# KiCad board IotThermalCamera.kicad_pcb (continued)
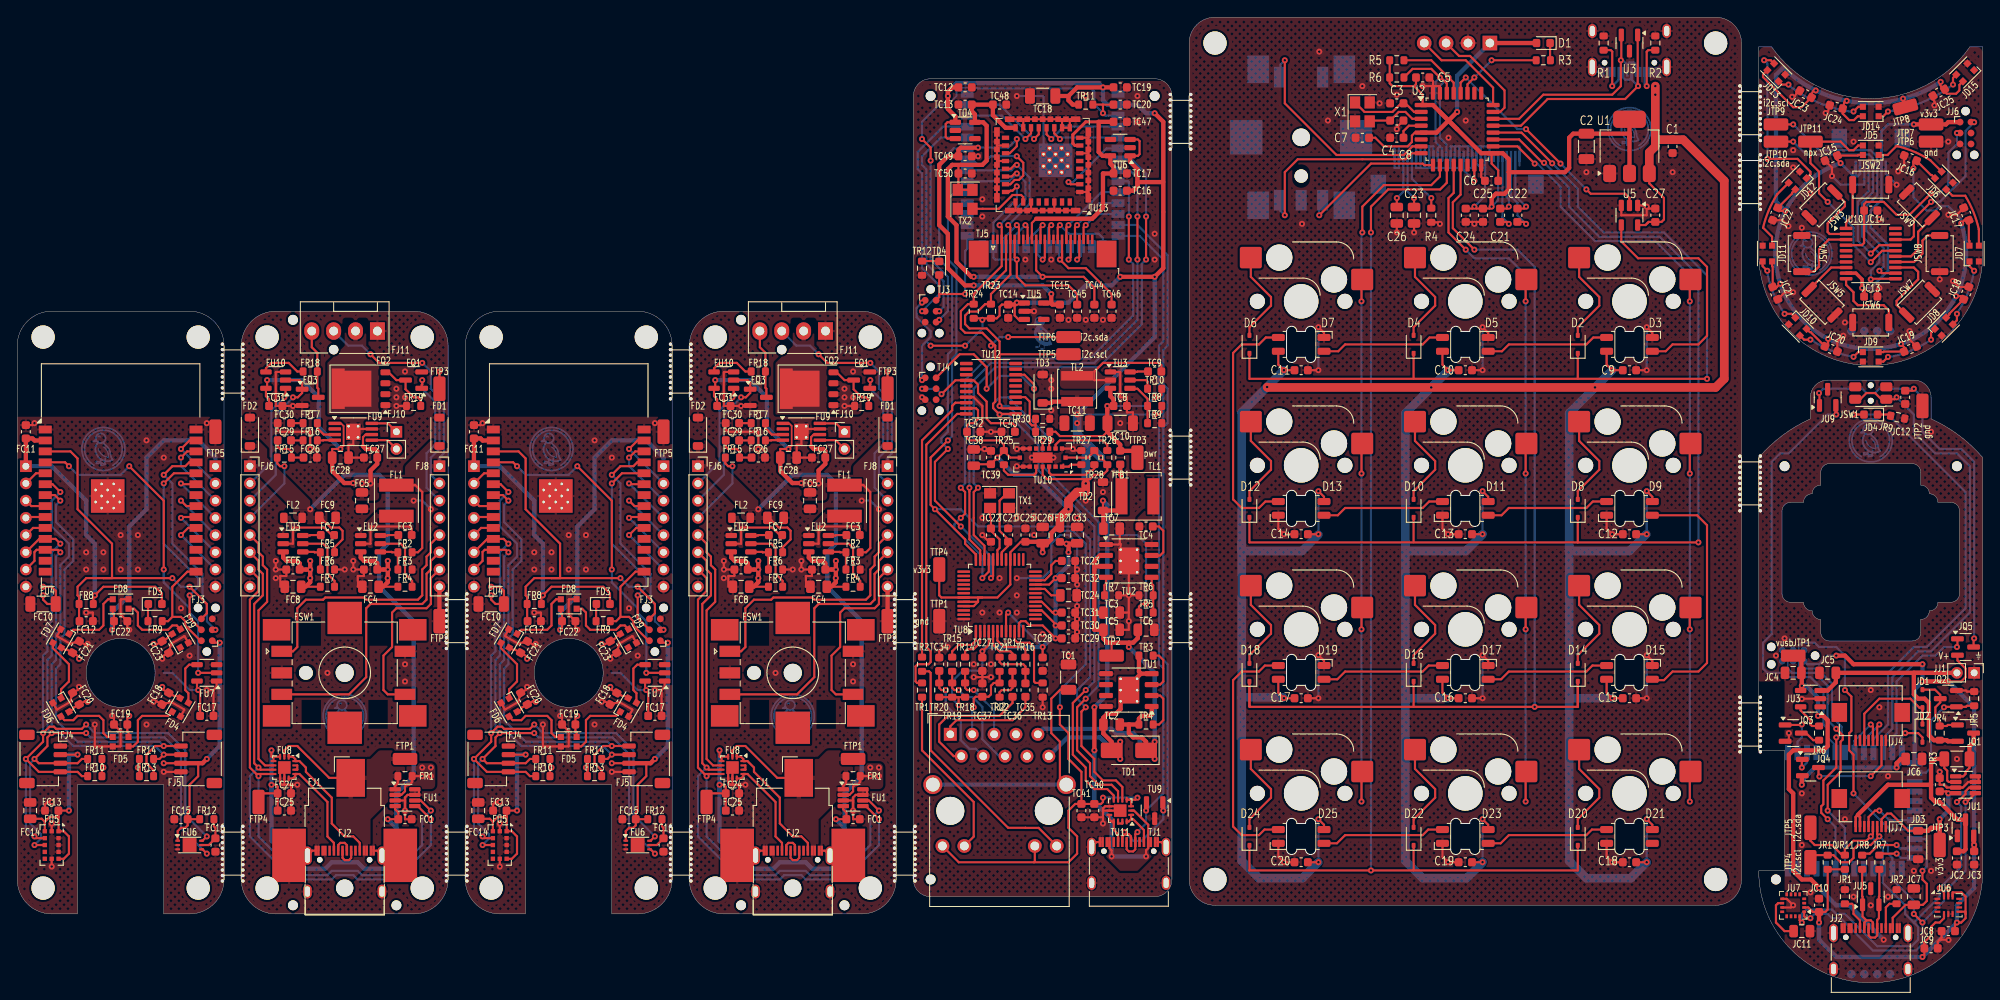
[diagram p0: board, top side]
## Routing (per net, layer and track width the routed paths; a pad name or vN(x,y) marks a point on that pad's centre or on a via; arc(x,y) is an arc through that point) (continued)
  Back w0.25: 59,34.54 v1(59.17,34.37) ; 7,34.54 v1(7.17,34.37)
  vias: v1(8,50) v1(8,48) v1(10,50) v1(10,48) v1(12,52) v1(12,48) v1(14,52) v1(14,48) v1(15,63) v1(15,30) v1(17,61) v1(19,43.5) v1(20,38) v1(22,65) v1(60,50) v1(60,48) v1(62,50) v1(62,48) v1(64,52) v1(64,48) v1(66,52) v1(66,48) v1(67,63) v1(67,30) v1(69,61) v1(71,43.5) v1(72,38) v1(74,65)
Fcontrol_control.i2c2_pull.i2c.scl: length 100.8
  Front w0.25: v1(5,56) 4.36,56.64 FU4.7 ; FR13.2 67.83,24.68 67,25.5 67,26.5 68,27.5 FJ5.4 ; FR13#2.2 15.82,24.68 15,25.5 15,26.5 16,27.5 FJ5#2.4 ; v1(57,56) 56.36,56.64 FU4#2.7
  Back w0.25: v1(69,27.5) 68.5,28 59,28 56.5,30.5 56.5,36.5 57,37 57,40 57.5,40.5 57.5,48 58.5,49 58.5,51.5 56.5,53.5 56.5,55.5 v1(57,56) ; v1(17,27.5) 16.5,28 7,28 4.5,30.5 4.5,36.5 5,37 5,40 5.5,40.5 5.5,48 6.5,49 6.5,51.5 4.5,53.5 4.5,55.5 v1(5,56)
Fcontrol_control.i2c2_pull.i2c.sda: length 98.1
  Front w0.25: FR14.2 16.5,26 v1(17,26.5) FJ5#2.3 ; FU4#2.6 56.09,57.91 v1(57,57) ; FR14#2.2 68.5,26 v1(69,26.5) FJ5.3 ; FU4.6 4.09,57.91 v1(5,57)
  Back w0.25: v1(69,26.5) 68,27.5 58.5,27.5 56,30 56,37 56.5,37.5 56.5,40.5 57,41 57,48.5 58,49.5 58,51 56,53 56,56 v1(57,57) ; v1(5,57) 4,56 4,53 6,51 6,49.5 5,48.5 5,41 4.5,40.5 4.5,37.5 4,37 4,30 6.5,27.5 16,27.5 v1(17,26.5)
Fcontrol_control.i2c.scl: length 160.9
  Front w0.25: v1(54,17) 54.2,16.8 FU5#2.10 ; FR10#2.2 7.5,24 7,24.5 FJ4#2.4 2.5,24.5 v1(1,26) 3,28 v1(3,29) 3.75,29.75 4.25,29.75 4.5,29.5 7.5,29.5 v1(8,30) ; v1(5,51) 4.44,51.56 FU4.11 2.56,51.56 FJ7#2.6 ; FU6.6 73.5,16.5 v1(74,17) ; FU6#2.6 21.5,16.5 v1(22,17) ; v1(57,51) 56.44,51.56 FU4#2.11 54.56,51.56 FJ7.6 ; v1(60,30) 59.5,29.5 56.5,29.5 56.25,29.75 55.75,29.75 v1(55,29) 55,28 v1(53,26) 54.5,24.5 FJ4.4 59,24.5 59.5,24 FR10.2 ; FU5.10 2.2,16.8 v1(2,17)
  Back w0.25: v1(22,17) 19.5,19.5 19.5,27 17.5,29 9,29 v1(8,30) ; v1(57,51) 56,50 56,42 55.5,41.5 55.5,38.5 55,38 v1(55,29) ; v1(2,17) 1,18 v1(1,26) ; v1(60,30) 61,29 69.5,29 71.5,27 71.5,19.5 v1(74,17) ; v1(54,17) 53,18 v1(53,26) ; v1(3,29) 3,38 3.5,38.5 3.5,41.5 4,42 4,50 v1(5,51)
Fcontrol_control.i2c.sda: length 159.6
  Front w0.25: FU6.4 73.5,15.5 v1(74,15) ; FU6#2.4 21.5,15.5 v1(22,15) ; FJ7#2.7 2,49 2,50.04 2.25,50.29 FU4.12 4.71,50.29 v1(5,50) ; FU5.9 v1(2,16) ; v1(8,29) v1(4,29) 3.5,28.5 3.5,27.5 v1(2,26) 2.5,25.5 FJ4#2.3 7,25.5 7.5,26 FR11#2.2 ; v1(60,29) v1(56,29) 55.5,28.5 55.5,27.5 v1(54,26) 54.5,25.5 FJ4.3 59,25.5 59.5,26 FR11.2 ; FJ7.7 54,49 54,50.04 54.25,50.29 FU4#2.12 56.71,50.29 v1(57,50) ; FU5#2.9 v1(54,16)
  Back w0.25: v1(8,29) 8.5,28.5 17.08,28.5 19,26.58 19,18 v1(22,15) ; v1(74,15) 71,18 71,26.58 69.08,28.5 60.5,28.5 v1(60,29) ; v1(2,26) 1.5,25.5 1.5,18.5 2.75,17.25 2.75,16.75 v1(2,16) ; v1(56,29) 55.5,29.5 55.5,37.5 56,38 56,41 56.5,41.5 56.5,49.5 v1(57,50) ; v1(54,16) 54.75,16.75 54.75,17.25 53.5,18.5 53.5,25.5 v1(54,26) ; v1(4,29) 3.5,29.5 3.5,37.5 4,38 4,41 4.5,41.5 4.5,49.5 v1(5,50)
Fcontrol_control.ledr.package.k: length 4
  Front w0.25: FR9.1 15.18,43.96 FD3#2.1 ; FR9#2.1 67.17,43.96 FD3.1
Fcontrol_control.mcu.program_boot_node: length 26.3
  Front w0.25: 18,42.5 19,42.5 19.5,42 19.5,41.5 21.27,39.73 FJ3#2.2 ; 18,42.5 18,46 19.75,47.75 FU4.27 ; 18,42.5 17.5,42 FR9.2 ; FU4#2.27 71.75,47.75 70,46 70,42.5 ; 70,42.5 69.5,42 FR9#2.2 ; 70,42.5 71,42.5 71.5,42 71.5,41.5 73.27,39.73 FJ3.2
Fcontrol_control.mcu.program_en_node: length 86.8
  Front w0.25: v1(70,47) 62,47 ; 62,47 60,47 59,46 59,45 59.17,44.82 FR8#2.2 59.17,42.05 FC12#2.1 ; 62,47 63,47 63,51 59,55 59,60.9 58.18,61.72 FU4#2.3 ; v1(18,47) 10,47 ; 10,47 11,47 11,51 7,55 7,60.9 6.18,61.72 FU4.3 ; 10,47 8,47 7,46 7,45 7.18,44.82 FR8.2 7.18,42.05 FC12.1 ; v1(72,46) 74,44 74,42.91 FJ3.6 ; v1(20,46) 22,44 22,42.91 FJ3#2.6
  Back w0.25: v1(70,47) 71,46 v1(72,46) ; v1(20,46) 19,46 v1(18,47)
Fcontrol_control.mcu.program_uart_node.a_tx: length 47.8
  Front w0.25: v1(69,58) 70.18,59.18 FU4#2.36 ; FJ3#2.4 20,42.37 v1(20,45) ; FJ3.4 72,42.37 v1(72,45) ; FU4.36 18.18,59.18 v1(17,58)
  Back w0.25: v1(72,45) 73,46 73,47 69,51 v1(69,58) ; v1(20,45) 21,46 21,47 17,51 v1(17,58)
Fcontrol_control.mcu.program_uart_node.b_tx: length 50.4
  Front w0.25: FJ3.3 v1(75,41) ; FU4#2.37 71.95,60.45 71.5,60 70,60 v1(69,59) ; v1(17,59) 18,60 19.5,60 19.95,60.45 FU4.37 ; FJ3#2.3 v1(23,41)
  Back w0.25: v1(75,41) 74,42 74,44 73.5,44.5 73.5,47.5 70,51 70,58 v1(69,59) ; v1(23,41) 22,42 22,44 21.5,44.5 21.5,47.5 18,51 18,58 v1(17,59)
Fcontrol_control.npx.led[0].dout: length 16.4
  Front w0.25: FD4#2.1 69.51,31 66.5,31 66,30.5 66,28 65.45,27.45 FD5.3 ; FD4.1 17.51,31 14.5,31 14,30.5 14,28 13.45,27.45 FD5#2.3
Fcontrol_control.npx.led[1].dout: length 16.6
  Front w0.25: FD6.3 5.49,30.5 6.5,30.5 7,31 9.5,31 10,30.5 10,29 10.45,28.55 FD5#2.1 ; FD5.1 62.45,28.55 62,29 62,30.5 61.5,31 59,31 58.5,30.5 57.49,30.5 FD6#2.3
Fcontrol_control.npx.led[2].dout: length 15.1
  Front w0.25: FD6.1 5.09,34.09 6,35 6,37 4.14,38.86 FD7#2.3 ; FD6#2.1 57.09,34.09 58,35 58,37 56.14,38.86 FD7.3
Fcontrol_control.npx.led[3].dout: length 16.4
  Front w0.25: FD7#2.1 6.49,41 9.5,41 10,41.5 10,44 10.55,44.55 FD8#2.3 ; FD7.1 58.49,41 61.5,41 62,41.5 62,44 62.55,44.55 FD8.3
Fcontrol_control.npx.led[4].dout: length 16.6
  Front w0.25: FD8.1 65.55,43.45 66,43 66,41.5 66.5,41 69.5,41 70,41.5 70.51,41.5 FD9#2.3 ; FD8#2.1 13.55,43.45 14,43 14,41.5 14.5,41 17.5,41 18,41.5 18.51,41.5 FD9.3
Fcontrol_control.npx_en: length 5.5
  Front w0.25: FJ7.2 54.18,59.18 FU4#2.5 ; FU4.5 2.18,59.18 FJ7#2.2
Fcontrol_control.npx_shift.input: length 80.4
  Front w0.25: v1(17,48) 17,56 v1(13,60) ; v1(65,60) 69,56 v1(69,48) ; FU7#2.2 v1(21,36) ; v1(58,60) 57.55,60.45 FU4#2.4 ; FU4.4 5.55,60.45 v1(6,60) ; FU7.2 v1(73,36)
  Back w0.25: v1(6,60) 7,59 12,59 v1(13,60) ; v1(17,48) 17,46.5 20,43.5 20,43 21,42 v1(21,36) ; v1(73,36) 73,42 72,43 72,43.5 69,46.5 v1(69,48) ; v1(65,60) 64,59 59,59 v1(58,60)
Fcontrol_control.npx_shift.output: length 11.4
  Front w0.25: FD4#2.3 71.86,33.64 71.5,34 71.5,36.5 71.95,36.95 FU7.4 ; FD4.3 19.86,33.64 19.5,34 19.5,36.5 19.95,36.95 FU7#2.4
Fcontrol_control.pd_int: length 5.2
  Front w0.25: FJ7#2.5 1.83,52.83 FU4.10 ; FJ7.5 53.83,52.83 FU4#2.10
Fcontrol_control.pwm: length 5
  Front w0.25: FJ7#2.3 1.63,55.37 FU4.8 ; FU4#2.8 53.63,55.37 FJ7.3
Fcontrol_control.spk: length 4.6
  Front w0.25: FU4.9 1.1,54.1 FJ7#2.4 ; FU4#2.9 53.1,54.1 FJ7.4
Fcontrol_control.tach: length 15.6
  Front w0.25: v1(19,62) 19.99,62.99 FU4.39 ; FU4#2.39 71.99,62.99 v1(71,62)
  Back w0.25: v1(19,62) FJ9#2.2 ; v1(71,62) FJ9.2
Fcontrol_control.v3v3: length 203.7
  Front w0.25: FU5.5 5.4,14.4 6,15 6,17 5.4,17.6 FU5.1 4.8,19.25 ; v1(6,20) FC13#2.1 4.8,19.97 4.8,19.25 ; FR14.1 FR13#2.1 14.18,24.82 v1(14,25) ; FR10.1 61.83,24.82 v1(62,25) 61.83,25.18 FR11.1 ; FR8.1 8.82,44.82 v1(9,45) 10,46 16,46 16.79,45.21 FD3#2.2 ; v1(55,45) 55,44.5 55.5,44 FC10.1 56.48,45.53 56,46 v1(55,46) ; FJ3.1 74.87,39.5 v1(75.5,39.5) ; 3.2,18.7 3.75,19.25 4.8,19.25 ; 3.2,18.7 2.85,19.05 FC14.1 ; 3.2,18.7 FU5.11 ; v1(23.5,39.5) 22.87,39.5 FJ3#2.1 ; FC14#2.1 54.85,19.05 55.2,18.7 ; FC15.1 19.77,19.78 20,20 20,23 21,24 21,25.5 ; FC15.1 19.77,18.28 19.5,18 19,18 18.62,17.62 FU6#2.1 ; FC15.1 FR12.1 ; 56.8,19.25 56.8,19.97 FC13.1 v1(58,20) ; 56.8,19.25 55.75,19.25 55.2,18.7 ; 56.8,19.25 FU5#2.1 57.4,17.6 58,17 58,15 57.4,14.4 FU5#2.5 ; v1(69,25.5) FJ5.2 ; 55.2,18.7 FU5#2.11 ; FC15#2.1 FR12#2.1 ; FC15#2.1 71.78,19.78 72,20 72,23 73,24 73,25.5 ; FC15#2.1 71.78,18.28 71.5,18 71,18 70.62,17.62 FU6.1 ; FD3.2 68.79,45.21 68,46 62,46 v1(61,45) 60.83,44.82 FR8#2.1 ; FJ4.2 v1(59,26.5) ; FR10#2.1 9.82,24.82 v1(10,25) 9.82,25.18 FR11#2.1 ; v1(17,25.5) FJ5#2.2 ; v1(3,46) 4,46 4.47,45.53 FC10#2.1 3.5,44 3,44.5 v1(3,45) ; FR14#2.1 FR13.1 66.17,24.82 v1(66,25) ; FJ4#2.2 v1(7,26.5)
  Front w0.5: FJ5.2 73.5,25.5 v1(74,26) ; FJ7.1 FC11.1 53.77,63.22 54.01,62.99 FU4#2.2 ; FJ5#2.2 21.5,25.5 v1(22,26) ; FJ7#2.1 FC11#2.1 1.77,63.22 2.01,62.99 FU4.2
  Back w0.5: v1(61,45) 61,51 60,52 60,56 56,60 FJ7.1 ; v1(6,20) 6,26.5 v1(7,26.5) ; v1(58,20) 58,26.5 v1(59,26.5) ; FJ7#2.1 4,60 8,56 8,52 9,51 v1(9,45) ; v1(74,26) 75.5,27.5 v1(75.5,39.5) ; v1(23.5,39.5) 23.5,27.5 v1(22,26)
Fcontrol_control.v5: length 113.9
  Front w0.25: FD9#2.4 69.53,40.25 69.48,40.06 FC23.1 68.14,39.28 v1(67.83,39.37) ; v1(13,31) 12.78,30.78 FC19.1 12.78,29.22 12.91,29.09 FD5#2.4 ; FU7.5 72.86,34.14 v1(73,34) 73.22,33.78 FC17#2.1 ; v1(63,41) 63.22,41.22 FC22#2.1 63.23,42.78 63.09,42.91 FD8.4 ; FD9.4 17.53,40.25 17.48,40.06 FC23#2.1 16.14,39.28 v1(15.83,39.37) ; FD7#2.4 5.55,38.67 5.75,38.72 FC21#2.1 7.09,37.94 v1(7.17,37.63) ; v1(65,31) 64.78,30.78 FC19#2.1 64.78,29.22 64.91,29.09 FD5.4 ; FD6.4 6.47,31.75 6.52,31.94 FC20#2.1 7.86,32.72 v1(8.17,32.63) ; FD7.4 57.55,38.67 57.75,38.72 FC21.1 59.09,37.94 v1(59.17,37.63) ; v1(68.83,34.37) 68.91,34.06 FC18#2.1 70.25,33.28 70.45,33.33 FD4#2.4 ; FD6#2.4 58.47,31.75 58.52,31.94 FC20.1 59.86,32.72 v1(60.17,32.63) ; v1(11,41) 11.22,41.22 FC22.1 11.22,42.78 11.09,42.91 FD8#2.4 ; FC17.1 21.23,33.78 v1(21,34) 20.86,34.14 FU7#2.5 ; FD4.4 18.45,33.33 18.25,33.28 FC18.1 16.91,34.06 v1(16.83,34.37)
  Back w0.25: v1(73,34) 72,34 70,36 69,36 ; v1(21,34) 20,34 18,36 17,36
  Back w0.5: v1(63,41) 63,43 65,45 65,53 67,55 67,61 69,63 73,63 75,61 FJ9.1 ; FJ9#2.1 23,61 21,63 17,63 15,61 15,55 13,53 13,45 11,43 v1(11,41)
Ffan_drv.pre.drain: length 14.6
  Front w0.25: FQ1#2.3 96.5,70 ; FQ1#2.3 97.06,68.94 98,68 98.5,68 98.83,67.68 FR19.2 ; FQ1#2.3 96,70 95.09,70.91 FQ2#2.4 ; FQ1.3 45.06,68.94 46,68 46.5,68 46.83,67.68 FR19#2.2 ; FQ1.3 44.5,70 ; FQ1.3 44,70 43.09,70.91 FQ2.4
Fgnd: length 117.4
  Front w0.25: 97,21 97,21.18 FU1#2.3 ; 97,21 97,19 FC1.2 ; 97,21 97,21.53 97.3,21.82 FU1#2.7 ; 82.5,24.5 FU8#2.8 82.5,23.25 82.75,23 83,23 ; FC27.2 FC28#2.2 38.45,62.45 38.5,62.5 39,62.5 FU9.9 39.33,64.32 FU9.7 ; 31,23 v1(32.5,23) ; 31,23 FU8.9 31,24.5 ; 31,23 30.75,23 30.5,23.25 FU8.8 30.5,24.5 ; 91.53,46 91.53,47.25 92.2,47.25 92.22,47.28 FC2#2.2 v1(91,48) v1(91,49) ; FC26.2 86.78,61.72 86.5,62 v1(86,62) 86,64 82.5,64 82.22,64.28 FC30.2 ; v1(38,48) FR6.2 ; 31.77,23 FC24.2 FC25.2 ; 42.22,14.78 42.22,14.88 41.75,15.34 FJ2#2.A12 ; FU1#2.8 98.16,22.5 98.62,22.5 98.62,21.95 98.5,21.82 ; 45,21 45,21.53 45.3,21.82 FU1.7 ; 45,21 45,19 FC1#2.2 ; 45,21 45,21.18 FU1.3 ; FU9#2.7 91.33,64.32 FU9#2.9 91,62.5 90.5,62.5 90.45,62.45 FC28.2 FC27#2.2 ; v1(30,49) v1(30,48) FC6#2.2 31.23,47.28 31.2,47.25 30.52,47.25 30.52,46 ; FJ2#2.A1 34.24,15.34 FJ2#2.S1 ; FQ3.2 32.05,67.05 v1(32,67) FC31#2.2 30,67 30,70.9 30.05,70.95 FU10.3 ; v1(39,49) v1(39,48) FC2.2 40.23,47.28 40.2,47.25 39.52,47.25 39.52,46 ; FJ2.A12 93.75,15.34 94.22,14.88 94.22,14.78 ; FU1.8 46.16,22.5 46.62,22.5 46.62,21.95 46.5,21.82 ; FC26#2.2 34.77,61.72 34.5,62 v1(34,62) 34,64 30.5,64 30.23,64.28 FC30#2.2 ; 83.78,23 FC24#2.2 FC25#2.2 ; v1(90,48) FR6#2.2 ; 83,23 v1(84.5,23) ; 83,23 FU8#2.9 83,24.5 ; 82.53,46 82.53,47.25 83.2,47.25 83.22,47.28 FC6.2 v1(82,48) v1(82,49) ; FQ3#2.2 84.05,67.05 v1(84,67) FC31.2 82,67 82,70.9 82.05,70.95 FU10#2.3 ; FJ2.A1 86.25,15.34 FJ2.S1
  Front w0.5: FTP2#2.1 FJ8.8 ; FTP2.1 FJ8#2.8
  Back w0.25: v1(100,55) 99,56 v1(98,56) ; v1(48,55) 47,56 v1(46,56)
  vias: v1(30,47) v1(36,36) v1(45,71) v1(45,37) v1(45,35) v1(45,20) v1(82,47) v1(88,36) v1(97,71) v1(97,37) v1(97,35) v1(97,20)
Fnpx_res.output: length 16
  Front w0.25: FQ3.3 34.94,69 34.83,69.11 FR18.2 34.83,73.17 34.18,73.82 FJ11.4 ; FJ11#2.4 86.18,73.82 86.83,73.17 FR18#2.2 86.83,69.11 86.94,69 FQ3#2.3
Fnpx_shift.output: length 10.8
  Front w0.25: FR18.1 32.5,71 31.5,72 29.5,72 28.86,71.36 FU10.4 ; FR18#2.1 84.5,71 83.5,72 81.5,72 80.86,71.36 FU10#2.4
Fpd.ic.vconn: length 1.5
  Front w0.25: 32.5,25.25 32.5,24.75 FU8.12 ; FU8#2.12 84.5,24.75 84.5,25.25
Fpwr.pwr: length 23.7
  Front w0.25: FU1#2.1 95.86,22.86 96.17,23.18 FR1.1 ; FJ1#2.1 88.2,23.8 84.5,27.5 83.5,27.5 83,27 FU8#2.2 ; FU8.2 31,27 31.5,27.5 32.5,27.5 36.2,23.8 FJ1.1 ; FU1.1 43.86,22.86 44.17,23.18 FR1#2.1
Freg_3v3.ic.boot: length 4.2
  Front w0.25: FU3#2.6 33.95,51.95 34,52 FC7#2.1 ; FU3.6 85.95,51.95 86,52 FC7.1
Freg_3v3.ic.en: length 15.8
  Front w0.25: FR7.2 88.83,46.68 88,47.5 88,50.5 87.5,51 FU3.5 ; FU3#2.5 35.5,51 36,50.5 36,47.5 36.83,46.68 FR7#2.2
Freg_3v3.ic.fb: length 8.1
  Front w0.25: FR6.1 FR5#2.2 34.5,50 34.45,50.05 FU3#2.4 ; FU3.4 86.45,50.05 86.5,50 FR5.2 FR6#2.1
Freg_3v3.ic.sw: length 16.3
  Front w0.25: FC7#2.2 36.5,52 35.62,52.88 32,52.88 32,51 FU3#2.2 ; FC7.2 88.5,52 87.62,52.88 84,52.88 84,51 FU3.2
Freg_5v.ic.boot: length 4.2
  Front w0.25: FC3#2.1 95,52 94.95,51.95 FU2#2.6 ; FU2.6 42.95,51.95 43,52 FC3.1
Freg_5v.ic.en: length 15.8
  Front w0.25: FR4#2.2 97.83,46.68 97,47.5 97,50.5 96.5,51 FU2#2.5 ; FU2.5 44.5,51 45,50.5 45,47.5 45.83,46.68 FR4.2
Freg_5v.ic.fb: length 8.1
  Front w0.25: FU2.4 43.45,50.05 43.5,50 FR2.2 FR3.1 ; FU2#2.4 95.45,50.05 95.5,50 FR2#2.2 FR3#2.1
Freg_5v.ic.sw: length 17.5
  Front w0.25: FU2.2 41,51 41,53 45.5,53 45.77,52.72 FC3.2 ; FU2#2.2 93,51 93,53 97.5,53 97.78,52.72 FC3#2.2
Fspk_dac.output: length 9.3
  Front w0.25: FC26#2.1 FR15.2 31.82,61.68 31.5,62 30.5,62 30.23,62.28 FC29#2.2 ; FC29.2 82.22,62.28 82.5,62 83.5,62 83.83,61.68 FR15#2.2 FC26.1
Fspk_drv.ic.inn: length 5.8
  Front w0.25: FR17#2.2 34.83,64.43 35.58,63.68 FU9.3 ; FR17.2 86.83,64.43 87.58,63.68 FU9#2.3
Fspk_drv.ic.inp: length 4.1
  Front w0.25: FU9.4 35.52,63.03 35.5,63 FR16#2.2 ; FU9#2.4 87.53,63.03 87.5,63 FR16.2
Fspk_drv.inn_res.input: length 2.8
  Front w0.25: FC30#2.1 FR17#2.1 ; FC30.1 FR17.1
Fspk_drv.inp_res.input: length 2.8
  Front w0.25: FC29.1 FR16.1 ; FC29#2.1 FR16#2.1
Fspk_drv.spk.a: length 6.5
  Front w0.25: FJ10#2.1 43.02,64.97 FU9.8 ; FJ10.1 95.03,64.97 FU9#2.8
Fspk_drv.spk.b: length 6.5
  Front w0.25: FU9#2.5 94.97,63.03 FJ10.2 ; FJ10#2.2 42.98,63.03 FU9.5
Fusb.cc.cc1: length 24.8
  Front w0.25: FU8.10 32,23.74 32.26,24 FU8.11 ; FJ2#2.A5 36.75,16.25 36,17 36,21 32.75,24.25 FU8.11 ; 32.5,24.25 FU8.11 ; FU8#2.11 84.26,24 84,23.74 FU8#2.10 ; FU8#2.11 84.75,24.25 88,21 88,17 88.75,16.25 FJ2.A5 ; FU8#2.11 84.5,24.25
Fusb.cc.cc2: length 31.9
  Front w0.25: 84.5,25.75 FU8#2.14 ; FU8#2.14 84.26,25.99 83.99,26.26 FU8#2.1 83.5,26.5 ; FU8#2.14 84.75,25.75 85.5,25 85.5,24.5 88.5,21.5 88.5,18.5 90,17 91,17 91.75,16.25 FJ2.B5 ; FJ2#2.B5 39.75,16.25 39,17 38,17 36.5,18.5 36.5,21.5 33.5,24.5 33.5,25 32.75,25.75 FU8.14 ; FU8.14 32.26,25.99 31.99,26.26 FU8.1 31.5,26.5 ; FU8.14 32.5,25.75
Fusb.usb.dm: length 5
  Front w0.25: FJ2#2.A7 38.25,16 38,16.25 37.5,16.25 37.25,16 FJ2#2.B7 ; FJ2.B7 89.25,16 89.5,16.25 90,16.25 90.25,16 FJ2.A7
Fusb.usb.dp: length 5.8
  Front w0.25: FJ2.A6 89.75,14.5 90,14.25 90.5,14.25 90.75,14.5 FJ2.B6 ; FJ2#2.A6 37.75,14.5 38,14.25 38.5,14.25 38.75,14.5 FJ2#2.B6
Fv3v3: length 211.6
  Front w0.25: v1(29.5,27) 29.5,26.26 FU8.3 ; FC25.1 FC24.1 ; FC24.1 28,22 ; FC24.1 30.23,22.78 30,23 v1(29.5,23) ; v1(43,19) FC1#2.1 44.23,19.78 43.86,20.14 FU1.4 ; FC9#2.1 87.25,54 88.38,52.88 89.38,52.88 89.75,52.5 89.75,51.5 88.83,50.57 FR5.1 ; FC24#2.1 82.22,22.78 82,23 v1(81.5,23) ; FC24#2.1 80,22 ; FC24#2.1 FC25#2.1 ; FC9.1 35.25,54 36.38,52.88 37.38,52.88 37.75,52.5 37.75,51.5 36.83,50.57 FR5#2.1 ; FU8#2.4 81.74,26.24 ; v1(81.5,27) 81.5,26.26 FU8#2.3 ; FU8.4 29.74,26.24 ; v1(95,19) FC1.1 96.22,19.78 95.86,20.14 FU1#2.4
  Back w0.5: 44,17 44,14 43.25,13.25 40.25,13.25 39.5,14 36.5,14 35.75,13.25 32.75,13.25 29.5,16.5 29.5,22 ; 44,17 44,18 v1(43,19) ; 44,17 44,22 46,24 46,42 42,46 42,50 43,51 43,58 42,59 38,59 v1(34,55) ; 96,17 96,22 98,24 98,42 94,46 94,50 95,51 95,58 94,59 90,59 v1(86,55) ; 96,17 96,14 95.25,13.25 92.25,13.25 91.5,14 88.5,14 87.75,13.25 84.75,13.25 81.5,16.5 81.5,22 ; 96,17 96,18 v1(95,19) ; 81.5,22 v1(81.5,27) ; 81.5,22 v1(81.5,23) ; v1(29.5,23) 29.5,22 ; 29.5,22 v1(29.5,27)
Fv5: length 140.2
  Front w0.2: v1(37.5,62) 37.88,62.38 37.88,64.67 37.57,64.97 FU9.1 ; v1(89.5,62) 89.88,62.38 89.88,64.67 89.57,64.97 FU9#2.1
  Front w0.25: v1(49,71) FTP3#2.1 ; FL1.2 98.2,57.8 99,57 99,50.5 98.5,50 FR2#2.1 ; v1(81,70) 81,69.19 FU10#2.5 80.86,68.14 81.22,67.78 FC31.1 ; FR7.1 85.47,46 ; FC28#2.1 36.55,62 v1(37.5,62) ; FR2.1 46.5,50 47,50.5 47,57 46.2,57.8 FL1#2.2 ; FR7#2.1 33.48,46 ; v1(101,71) FTP3.1 ; v1(89.5,62) 88.55,62 FC28.1 ; FU9#2.6 92.43,63.68 92.12,63.37 92.12,62.33 ; 40.12,62.33 40.12,63.37 40.43,63.68 FU9.6 ; FC31#2.1 29.23,67.78 28.86,68.14 FU10.5 29,69.19 v1(29,70)
  Front w0.5: v1(34,48) 34,46.53 33.48,46 ; v1(34,48) FC6#2.1 32.77,48.72 32.5,49 31.25,49 30.86,49.39 FU3#2.3 ; v1(34,48) v1(34,49) ; 85.47,46 86,46.53 v1(86,48) ; FC28.1 88.55,59.45 89.96,58.04 v1(90.99,58.04) ; v1(93,58) 93,59.5 93.78,60.28 FC27#2.1 93.78,61.78 93.55,62 92.45,62 92.12,62.33 ; FC28#2.1 36.55,59.45 37.96,58.04 v1(38.99,58.04) ; 40.12,62.33 40.45,62 41.55,62 41.77,61.78 FC27.1 41.77,60.28 41,59.5 v1(41,58) ; v1(86,48) FC6.1 84.78,48.72 84.5,49 83.25,49 82.86,49.39 FU3.3 ; v1(86,48) v1(86,49)
  Back w0.25: v1(49,71) FTP3#2.1 49.5,68.5 49.5,61.5 49,61 FJ8#2.1 ; FJ8.1 101,61 101.5,61.5 101.5,68.5 FTP3.1 v1(101,71)
  Back w0.5: v1(81,70) 85,70 87,68 87,64.5 v1(89.5,62) ; v1(29,70) 33,70 35,68 35,64.5 v1(37.5,62)
  vias: v1(34,47) v1(40,58) v1(86,47) v1(92,58)
Fvin: length 31.3
  Front w0.25: FR4#2.1 94.47,46 ; FU1#2.2 96.58,21.82 97,22.25 97,22.79 97.21,23 97.5,23 97.83,23.32 FR1.2 v1(99,24) ; FR19.1 v1(96,67) ; FR19#2.1 v1(44,67) ; FR4.1 42.48,46 ; v1(47,24) FR1#2.2 45.83,23.32 45.5,23 45.21,23 45,22.79 45,22.25 44.58,21.82 FU1.2
  Front w0.5: v1(43,48) FC2.1 41.77,48.72 41.5,49 40.25,49 39.86,49.39 FU2.3 ; v1(43,48) v1(43,49) ; v1(43,48) 43,46.53 42.48,46 ; v1(95,48) 95,46.53 94.47,46 ; v1(95,48) v1(95,49) ; v1(95,48) FC2#2.1 93.78,48.72 93.5,49 92.25,49 91.86,49.39 FU2#2.3
  vias: v1(42.99,47) v1(44,69) v1(44,68) v1(45,68) v1(47,25) v1(48,25) v1(48,24) v1(94.99,47) v1(96,69) v1(96,68) v1(97,68) v1(99,25) v1(100,25) v1(100,24)
Fvin_sense.i2c.scl: length 135
  Front w0.25: 28.25,24.75 v1(28,25) ; 28.25,24.75 27.5,25.5 27.5,44 28.5,45 28.5,47.5 28,48 28,49 FJ6.6 ; 28.25,24.75 FU8.6 ; 80.25,24.75 79.5,25.5 79.5,44 80.5,45 80.5,47.5 80,48 80,49 FJ6#2.6 ; 80.25,24.75 FU8#2.6 ; 80.25,24.75 v1(80,25) ; v1(48,19) 46.48,20.53 FU1.5 ; FU1#2.5 98.47,20.53 v1(100,19)
  Back w0.25: v1(28,25) 27,24 27,17 32,12 36.5,12 37,12.5 39,12.5 39.5,12 44,12 48,16 v1(48,19) ; v1(80,25) 79,24 79,17 84,12 88.5,12 89,12.5 91,12.5 91.5,12 96,12 100,16 v1(100,19)
Fvin_sense.i2c.sda: length 128.9
  Front w0.25: v1(28,24) 28.25,24.25 29,24.25 ; FU8#2.7 81,24.25 ; 81,24.25 80.25,24.25 v1(80,24) ; 81,24.25 79.75,24.25 79,25 79,44.5 80,45.5 80,47 FJ6#2.7 ; v1(100,20) 98.83,21.18 FU1#2.6 ; 29,24.25 27.75,24.25 27,25 27,44.5 28,45.5 28,47 FJ6.7 ; 29,24.25 FU8.7 ; FU1.6 46.83,21.18 v1(48,20)
  Back w0.25: v1(100,20) 99,19 99,16 95.5,12.5 92,12.5 91.5,13 88.5,13 88,12.5 84.5,12.5 80,17 v1(80,24) ; v1(48,20) 47,19 47,16 43.5,12.5 40,12.5 39.5,13 36.5,13 36,12.5 32.5,12.5 28,17 v1(28,24)
Jbtns.io0: length 7.2
  Front w0.25: v1(216.1,20) 215.6,20 214.85,19.25 JJ7.5
  Back w0.25: JU4.20 217.2,18.9 v1(216.1,20)
Jbtns_btns.gnd: length 31.4
  Front w0.2: v1(216.1,88.7) 215.88,88.92 JC14.2
  Front w0.25: JC18.2 225.34,80.82 v1(224.65,81.52) ; JC21.2 205.12,80.2 v1(206.1,80.2) ; v1(205.55,87.88) 204.86,88.58 JC22.2 ; v1(218.28,94.25) 218.98,94.94 JC16.2 ; JC15.2 210.6,94.68 v1(210.6,93.7) ; 206.68,103.66 206.29,102.99 v1(205.98,102.91) ; v1(222.48,101.91) 222.57,102.22 222.18,102.89 ; JC19.2 219.6,74.72 v1(219.6,75.7) ; v1(224.1,89.2) 225.08,89.2 JC17.2 ; JC20.2 211.22,74.46 v1(211.92,75.15) ; JC24.2 210.14,101.18 v1(209.86,101.02)
  Front w0.4: JC13.2 215.88,80.47 v1(216.1,80.7)
  Back w0.25: v1(210.6,93.7) 211.6,92.7 214.35,92.7 JJ8.3 ; v1(218.1,92.7) 216.85,93.95 JJ8.8
  vias: v1(206.1,96.7) v1(206.1,94.7) v1(207.1,87.7) v1(208.1,91.7) v1(212.1,76.7) v1(213.1,97.7) v1(223.1,81.7) v1(224.1,97.7)
Jbtns_btns.i2c.scl: length 30.1
  Front w0.25: v1(206.1,99.7) JTP9.1 ; v1(216.1,82.7) 216.38,82.42 JU10.12
  Back w0.25: v1(206.1,99.7) 209.1,96.7 215.1,96.7 215.85,95.95 JJ8.6 215.85,91.45 214.6,90.2 214.6,87.33 216.6,85.33 216.6,83.2 v1(216.1,82.7)
Jbtns_btns.i2c.sda: length 30.8
  Front w0.25: v1(206.1,97.7) JTP10.1 ; v1(215.1,81.7) 215.18,81.78 JU10.11
  Back w0.25: v1(215.1,81.7) 215.1,82.7 216.1,83.7 216.1,84.7 214.1,86.7 214.1,90.58 215.35,91.83 JJ8.5 215.35,95.75 214.9,96.2 207.6,96.2 v1(206.1,97.7)
Jbtns_btns.io0: length 14.6
  Front w0.25: JU10.17 216.07,85.67 v1(215.1,84.7)
  Back w0.25: JJ8.4 214.85,91.95 213.6,90.7 213.6,86.2 v1(215.1,84.7)
Jbtns_btns.ioe.ic.nrst: length 25.4
  Front w0.25: 214.6,90.7 216.6,90.7 218.1,89.2 219.6,89.2 221.6,91.2 221.6,91.2 v1(222.1,91.7) ; JJ6.3 v1(225.1,98.7)
  Front w0.26: JU10.4 214.07,85.67 214.32,85.92 JC14.1 214.32,90.42 214.6,90.7
  Back w0.25: v1(225.1,98.7) 225.1,97.41 224.1,96.41 224.1,92.7 223.1,91.7 v1(222.1,91.7)
Jbtns_btns.ioe.ic.swio: length 19.4
  Front w0.25: v1(227.1,99.95) 227.08,99.97 226.74,99.97 ; JU10.18 219.72,86.33 220.1,86.7 220.1,88.7 v1(222.1,90.7)
  Back w0.25: v1(227.1,99.95) 226.1,98.95 226.1,93.7 223.1,90.7 v1(222.1,90.7)
Jbtns_btns.npx_dpad.dout: length 19.5
  Front w0.25: v1(202.73,107.15) 203.5,107.15 JD13.3 ; v1(203.1,95.7) 206.6,95.7 208.1,94.2 208.1,93.89 JD12.1
  Back w0.25: v1(202.73,107.15) 203.1,106.78 v1(203.1,95.7)
Jbtns_btns.npx_dpad.led[0].dout: length 8.7
  Front w0.25: JD6.3 222,95.55 222,95.55 arc(220.12,96.53) 218.1,97.2 217.05,96.15 JD5.1
Jbtns_btns.npx_dpad.led[1].dout: length 8.7
  Front w0.25: 227.65,85.61 227.65,87.49 227.65,87.49 arc(227.02,89.52) 226.06,91.42 224.58,91.42 JD6.1
Jbtns_btns.npx_dpad.led[2].dout: length 8.2
  Front w0.25: JD7.1 226.55,83.25 v1(227.1,82.7) ; JD8.3 225.1,76.95 v1(225.1,77.7)
  Back w0.25: v1(227.1,82.7) arc(226.36,80.1) 225.07,77.72
Jbtns_btns.npx_dpad.led[3].dout: length 8.2
  Front w0.25: JD8.1 222.1,75.51 v1(222.1,74.7) ; v1(217.1,72.69) 216.56,72.15 JD9.3
  Back w0.25: v1(222.1,74.7) arc(219.72,73.4) 217.11,72.66
Jbtns_btns.npx_dpad.led[4].dout: length 8.2
  Front w0.25: v1(213.1,72.7) 213.65,73.25 JD9.1 ; JD10.3 207.35,74.7 v1(208.1,74.7)
  Back w0.25: v1(213.1,72.7) arc(210.5,73.44) 208.12,74.73
Jbtns_btns.npx_dpad.led[5].dout: length 8.2
  Front w0.25: JD10.1 205.91,77.7 v1(205.1,77.7) ; JD11.3 202.55,83.24 v1(203.09,82.7)
  Back w0.25: v1(205.1,77.7) arc(203.8,80.08) 203.06,82.69
Jbtns_btns.npx_dpad.led[6].dout: length 8.7
  Front w0.25: JD12.3 204.25,91.6 204.25,91.6 arc(203.27,89.72) 202.6,87.7 203.65,86.65 JD11.1
Jbtns_btns.npx_js.led[0].dout: length 10.8
  Front w0.25: JD14.3 213.65,101.75 v1(213.1,101.2) ; JD13.1 204.78,104.33 v1(205.55,104.33)
  Back w0.254: 213.09,101.13 arc(209.14,102.17) 205.6,104.2
Jbtns_btns.npx_js.led[1].dout: length 10.9
  Front w0.25: JD14.1 216.55,100.65 v1(217.1,101.2) ; v1(224.65,104.33) 224.65,105.1 JD15.3
  Back w0.254: 224.63,104.31 arc(221.07,102.26) v1(217.1,101.2)
Jbtns_btns.npx_tp.io: length 27
  Front w0.25: JD5.3 213.65,97.25 213.1,96.7 212.6,96.7 211.6,97.7 JTP11.1 208.1,95.2 209.1,94.2 209.1,91.7 v1(210.1,90.7) ; JU10.16 216.43,85.03 v1(215.1,83.7)
  Back w0.25: v1(210.1,90.7) 213.1,87.7 213.1,85.7 v1(215.1,83.7)
Jbtns_btns.pwr: length 35.2
  Front w0.4: JU10.9 213.38,82.42 214.1,81.7 v1(214.1,80.7) 214.32,80.47 JC13.1
  Front w0.5: JJ6.1 224.1,99.97 223.83,99.7 JTP7.1 v1(220.1,99.7)
  Back w0.3: v1(214.1,80.7) 215.1,80.7 217.1,82.7 217.1,85.7 215.1,87.7 215.1,89.7 216.35,90.95 JJ8.7 216.35,98.95 217.1,99.7 v1(220.1,99.7)
Jbtns_btns.sw[0].out: length 5.4
  Front w0.26: JSW2.1 213,89.1 212.24,88.34 JU10.1
Jbtns_btns.sw[1].out: length 8.2
  Front w0.26: JSW3.1 212.1,90.67 212.1,90.2 210.1,88.2 210.1,87.2 210.32,86.97 JU10.2
Jbtns_btns.sw[2].out: length 7.9
  Front w0.26: JSW4.1 208.5,82.6 209.1,83.2 209.1,85.2 210.22,86.33 JU10.3
Jbtns_btns.sw[3].out: length 5.3
  Front w0.26: JSW5.1 210.51,83.08 JU10.8
Jbtns_btns.sw[4].out: length 8.9
  Front w0.26: JU10.10 212.24,81.06 213.1,80.2 213.1,79.2 213.6,78.7 216.6,78.7 217.2,78.1 JSW6.1
Jbtns_btns.sw[5].out: length 9.4
  Front w0.26: JU10.13 220.1,83.08 220.6,82.58 220.6,81.7 218.1,79.2 218.1,78.73 JSW7.1
